# KiCad board ESP32-P4-PC_Rev_B.kicad_pcb (continued)
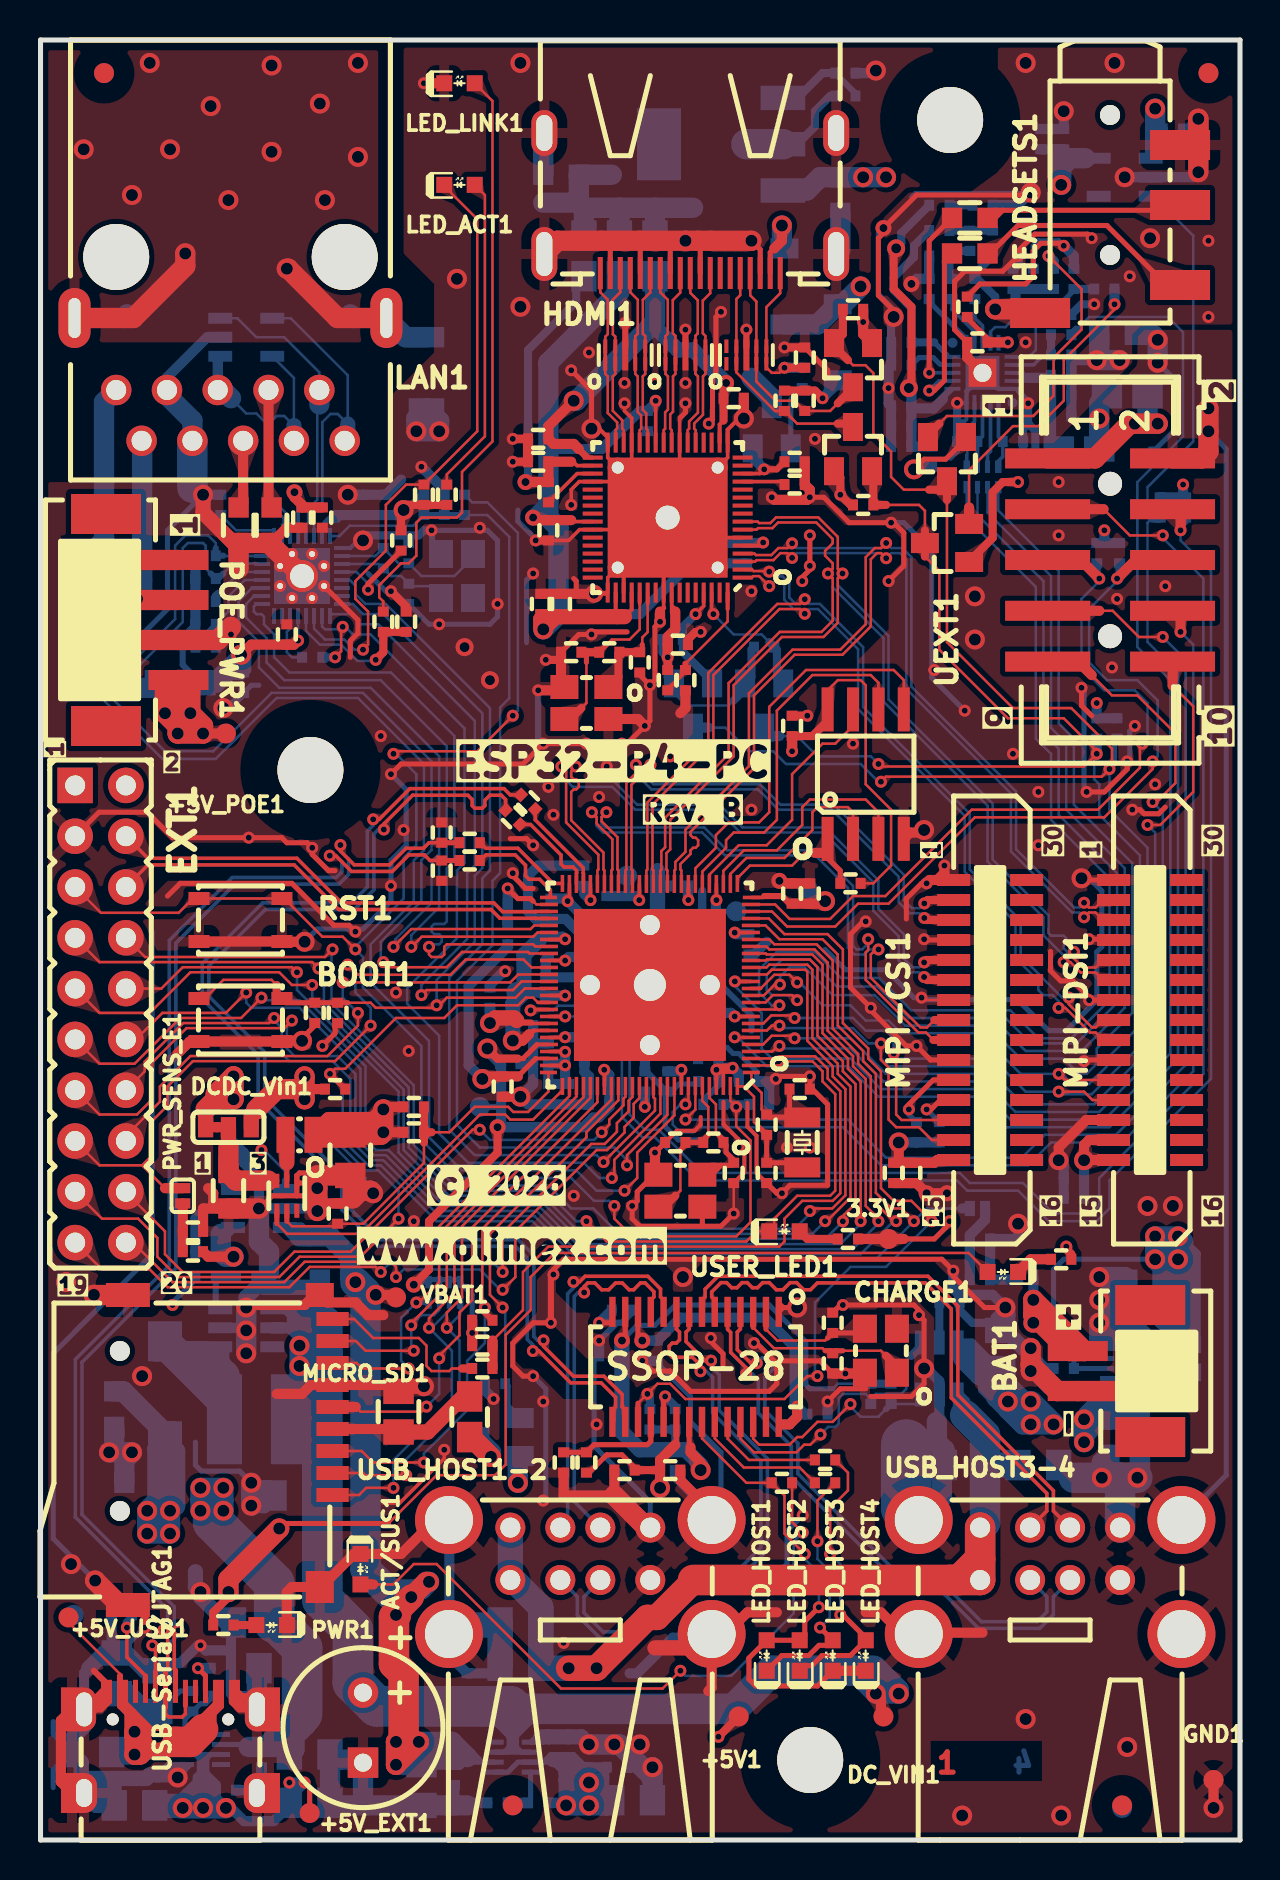
[diagram p0: board, top side]
## Routing (per net, layer and track width the routed paths; a pad name or vN(x,y) marks a point on that pad's centre or on a via; arc(x,y) is an arc through that point) (continued)
  Bottom w0.762: USB-Serial/JTAG1.0 2.8,1.73 C118.1 ; USB-Serial/JTAG1.0 2.13,2.4 2.13,3.08 3,3.08 ; USB-Serial/JTAG1.0 2.03,2.5 2.03,3.89 C133.1 1.53,5.03 2.18,5.69 USB-Serial/JTAG1.0 ; 3,3.08 3,2.42 C118.1 ; 3,3.08 3.68,3.08 ; C118.1 3.68,3.08 ; C118.1 3.68,1.86 ; v2(6.86,3.13) 6.73,3.25 C119.1 5.28,3.08 3.68,3.08 ; v2(27.43,4.78) 27.05,5.16 25.02,5.16 ; C132.1 5.21,8.46 4.32,9.35 C127.1 3.18,9.35 2.41,8.59 ; v2(10.29,26.62) 10.29,27.13 11.43,28.27 11.43,28.4 10.99,27.96 10.99,27.83 11.18,27.64 13.72,27.64 ; 7.75,13.42 7.75,12.65 v2(8,12.4) 8,12.14 9.27,10.88 9.65,10.88 ; U1.105 30.86,46.13 30.86,48.47 ; v2(10.54,16.72) 11.18,16.72 C116.1 ; v2(49.53,24.59) 49.15,24.59 48.26,25.48 C74.2
  Bottom w1.016: v2(54.23,24.97) 54.36,25.1 54.36,25.99 ; v2(54.23,24.97) v2(55.37,24.97) 54.36,25.99 ; v2(54.23,24.97) 53.59,24.97 ; 53.59,24.97 53.09,24.97 52.96,25.1 v2(52.96,25.86) ; 53.59,24.97 53.59,28.15 ; 51.69,18.11 51.06,18.75 C89.1 ; v2(10.92,31.58) 10.92,29.92 11.43,29.42 11.43,28.4 ; USB_HOST3-4.0 45.09,17.16 45.09,18.62 45.21,18.75 45.21,19.51 44.83,19.89 44.83,20.91 ; C122.2 3.68,19.64 v2(3.43,19.38) v2(4.57,19.38) 4.19,19 C123.2 ; 10.54,17.48 11.43,17.48 C116.1 ; 21.34,1.73 C129.1 16.26,1.73 ; v2(52.96,28.15) 53.59,28.15 ; 53.59,28.15 54.23,28.15 C64.2 C63.2 54.36,25.99 ; C130.2 v2(30.61,3.64) 30.61,3.13 28.96,4.78 v2(27.43,4.78) ; v2(10.29,26.62) v2(10.29,25.48) v2(10.29,24.34) ; 16.26,1.73 16.13,1.86 C117.2 15.98,4.02 14.73,4.02 14.48,4.27 14.48,1.86 14.61,1.73 16.26,1.73 ; HDMI1.0 40.01,79.51 C66.2 ; v2(10.54,16.72) v2(10.54,17.86) ; C34.2 53.09,18.88 v2(53.09,18.11) ; C75.2 25.15,85.3 HDMI1.0 ; v2(55.88,73.87) v2(55.88,75.01) 55.63,75.26 R31.1 ; C136.1 10.82,8.49 USB-Serial/JTAG1.0 ; v2(54.87,18.11) 54.99,18.24 C37.2 ; LAN1.8 6.32,72.24 7.59,70.97 LAN1.7 ; C74.2 48.01,25.99 48.26,26.24 v2(48.26,26.62) ; C17.1 19.94,70.95 v2(19.94,70.44) v2(18.8,70.44) 18.8,71.07 C17.1
  Bottom w1.27: C90.1 C93.1 22.86,10.75 20.38,10.75
  Bottom w1.524: USB_HOST3-4.1.4 54,18.09 53.98,18.11 ; 51.69,18.11 53.98,18.11 ; 53.98,18.11 v2(54.87,18.11) ; LAN1.7 7.59,67.62 ; 19.93,10.3 20.38,10.75
  Bottom w2.54: 43.31,19.77 43.31,16.62 USB_HOST3-4.0
  vias: v1(17.02,55.2) v1(17.53,47.7) v1(17.78,42.37) v1(18.16,50.5) v1(18.42,39.45) v1(18.67,30.94) v1(21.97,65.61) v1(25.15,21.92) v1(25.4,52.66) v1(25.66,51.26) v1(26.16,9.86) v1(26.67,32.21) v1(27.43,74.38) v1(27.81,20.78) v1(27.94,52.15) v1(28.32,53.67) v1(29.21,72.85) v1(30.74,72.85) v1(31.5,54.18) v1(32.26,72.85) v1(35.56,62.44) v1(35.56,51.52) v1(37.34,34.62) v1(38.48,34.62) v1(38.74,70.06) v1(40.13,26.75) v1(40.26,23.32) v1(40.64,54.82) v1(44.71,58.5) v1(47.5,45.67) v1(47.5,44.15) v1(47.5,42.5) v1(48.64,54.31) v1(49.91,52.4) v1(49.91,49.74) v1(50.93,67.9) v1(50.93,65.23) v1(53.59,58.63) v1(53.85,62.06) v1(55.75,52.78) v1(56.26,62.69) v2(1.27,27.89) v2(1.53,57.74) v2(1.53,13.8) v2(5.08,23.19) v2(20.83,78.06) v2(24,88.85) v2(24,76.66) v2(28.7,4.78) v2(29.97,4.78) v2(32.13,28.15) v2(46.1,1.22) v2(46.74,62.18) v2(46.74,60.02) v2(47.37,35.13) v2(49.28,6.05) v2(51.06,1.22) v2(52.96,27) v2(54.36,4.65) v2(55.37,31.7) v2(56.64,31.7) v3(21.21,59.64) v3(22.48,57.99)
GNDA: length 84.4
  Top w0.254: v2(42.67,76.15) 42.67,76.47 41.91,77.23 41.91,80.09 42.16,80.34 v4(42.16,80.6) 43.82,82.25 49.4,82.25 v2(49.53,82.38) ; v1(52.58,80.09) 52.38,80.29 49.73,80.29 48.9,79.45 v1(48.9,79.2) 48.13,78.44 46.23,78.44 45.72,77.93 45.72,75.52 R64.2
  Top w0.508: U8.21 46.36,74.12 R64.2
  Top w1.016: HEADSETS1.2 57.91,84.75 v2(57.91,86.06) v2(57.91,83.39)
  In2.Cu w0.762: v4(42.16,80.6) 42.67,81.11 42.8,81.11
  Bottom w0.127: 48.9,72.47 48.81,72.56 U8.5
  Bottom w0.178: 45.85,70.95 46.23,70.95 46.32,71.03 U8.10
  Bottom w0.203: v1(45.85,71.86) U8.10 46.32,72.43 ; U8.5 47.92,72.56
  Bottom w0.254: v1(49.4,71.84) 49.4,71.96 48.9,72.47 ; 43.56,82.12 43.77,82.33 49.48,82.33 v2(49.53,82.38) ; 47.92,72.56 U8.21 47.12,73.23 46.32,72.43 ; v2(42.67,76.15) 42.67,76.53 41.91,77.3 41.91,80.34 v4(42.16,80.6) ; 45.52,69.09 45.85,69.42 C79.2
  Bottom w0.406: 49.4,70.82 v1(49.4,71.84) ; 49.4,70.82 49.76,70.46 49.76,69.3 49.15,69.3 C80.2 49.15,70.56 49.4,70.82 ; C86.2 42.55,76.03 v2(42.67,76.15) ; v1(52.71,76.79) 52.07,76.79 C77.2 ; v1(45.85,71.86) C79.2
  Bottom w0.508: C86.2 C88.2 42.42,73.61 v1(42.42,72.6) 42.42,71.84 C101.1 C100.2 C99.2 ; 51.56,73.61 C85.2 ; 51.56,73.61 51.56,73.87 ; 51.56,73.61 C87.2 C83.2 ; 51.56,73.87 51.69,73.99 v2(52.83,73.99) ; 51.56,73.87 C81.2 ; C104.2 48.9,81.74 v2(49.53,82.38) ; v4(43.56,77.8) 43.82,78.06 C84.2 R81.1 ; v1(48.9,79.2) 48.9,78.82 C78.2 ; C76.2 57.41,85.55 v2(57.91,86.06) ; v2(57.91,83.39) 57.66,83.14 VR2.2 v2(54.23,83.14) ; v2(51.18,86.44) C82.2 R68.2
  Bottom w1.016: R31.2 52.96,74.12 v2(52.83,73.99) v2(53.98,73.99)
  vias: v1(49.28,74.88) v1(54.48,78.19) v1(58.42,79.96) v1(58.42,76.15) v2(49.28,88.85) v2(53.72,88.85) v2(55.5,80.09)
VBAT: length 108.8
  Top w0.508: VBAT1.1 17.65,27.26 v2(16.76,27.26)
  Top w0.762: v2(19.43,12.91) 19.31,12.91
  Top w1.016: 19.31,12.91 v2(18.54,12.14) ; v2(17.78,11.26) 17.78,11.38 ; v2(17.78,4.91) v2(18.92,4.91) v2(17.78,3.76) v2(17.78,4.91) ; 49.66,26.24 v2(49.66,27) 52.21,24.45 BAT1.1 51.45,24.45 49.66,26.24
  Top w1.27: 17.78,11.38 v2(18.54,12.14)
  Top w1.524: 18.29,4.91 18.16,5.03 18.16,8.32 17.68,8.8 17.68,11.15 v2(17.78,11.26)
  In1.Cu w0.508: v2(49.66,25.86) 50.04,25.86 50.42,26.24 50.42,27.77 49.91,28.27 48.77,28.27 48.64,28.4
  In1.Cu w1.016: v2(16.76,27.26) 16.38,27.26 ; 49.66,27.39 v2(49.66,25.86)
  In1.Cu w1.524: 49.66,27.39 47.33,29.72 16.43,29.72 15.75,29.04 v2(15.75,27.89) 16.38,27.26
  Bottom w0.254: 22.1,3.89 21.59,4.4 21.59,4.4 21.34,4.14 21.59,3.89 22.1,3.89 ; 22.1,3.89 22.72,3.89
  Bottom w0.508: BAT_SENS_E2.2 v2(49.66,27) ; 12.96,30.18 12.67,30.18 U15.3 13.02,30.63 13.46,30.18 ; C129.2 20.96,3.76 21.34,4.14 19.43,4.14 C129.2
  Bottom w1.016: 18.16,11.76 v2(18.54,12.14) 19.31,12.91 v2(19.43,12.91) 19.05,12.53 17.27,12.53 ; 18.16,11.76 17.78,11.38 v2(17.78,11.26) ; 18.16,11.76 18.03,11.76 17.78,12.02 ; 21.34,4.14 20.57,4.91 v2(18.92,4.91) v2(17.78,4.91) v2(17.78,3.76) C129.2 ; 12.96,30.18 14.48,30.18 15.5,29.16 15.5,28.15 v2(15.75,27.89)
  Bottom w1.524: 17.78,12.02 16.26,13.54 16.26,27.39 v2(15.75,27.89)
VCC_1.8V: length 22.6
  Bottom w0.254: 36.58,71.96 Q5.3
  Bottom w0.406: R52.1 39.5,87.2 38.74,86.44 38.74,85.68 37.85,84.79 VR1.2
  Bottom w1.016: 35.56,73.1 36.58,72.09 Q5.3 ; L7.1 28.96,81.61 ; 26.93,81.87 27.18,81.61 ; 26.93,81.87 25.15,81.87 ; 26.93,81.87 C75.1 28.58,83.27 ; 27.18,81.61 32.64,81.61 ; 27.18,81.61 L6.1 ; L8.1 30.74,81.61
  Bottom w1.524: VR1.2 35.31,84.79
VDD_CORE: length 66.2
  Top w0.127: v1(30.23,36.66) 30.31,36.73 U1.91
  Top w0.178: U1.26 36.13,47.13 36.2,47.2 ; 24.77,39.08 25.43,39.08
  Top w0.254: 23.88,38.18 24.77,39.08
  Top w0.305: 36.2,47.2 37.09,47.2 37.47,46.82 C7.1
  Top w0.508: 23.88,38.18 C52.2 22.23,38.18 v2(22.1,38.05) ; v2(17.15,35.39) R46.2 ; v2(39.24,46.94) 39.12,46.82 C6.1 C7.1 ; v2(17.15,36.53) 17.27,36.66 C62.2
  Top w0.762: 14.13,35.73 14.42,36.02 16.64,36.02 v2(17.15,36.53) ; 14.13,35.73 L4.2 13.91,35 15.24,35 C65.1 14.61,35.26 14.13,35.73
  Top w1.016: v2(17.15,36.53) v2(17.15,35.39) 17.02,35.26 C65.1
  In1.Cu w0.762: 38.48,39.32 38.02,38.87 36.12,38.87 34.93,37.67 31.81,37.67 31.17,37.04 30.61,37.04 v1(30.23,36.66)
  In1.Cu w1.016: v1(30.23,36.66) 30.23,36.45 ; v2(39.24,46.94) 39.5,46.69 39.5,40.34 38.48,39.32 ; v2(17.15,36.53) v2(17.15,35.39) 18.29,36.53 v2(17.15,36.53)
  In1.Cu w1.524: 18.29,36.53 19.81,38.05 v2(22.1,38.05) 22.86,38.05 23.37,38.56 24.66,38.56 26.57,36.66 v1(30.23,36.66)
  Bottom w0.508: v2(39.24,46.94) 38.99,46.94 CORE1.1 ; v2(22.1,38.05) 21.41,38.74 21.41,42.7 23.37,44.66 R40.1 ; C47.2 v1(30.23,36.66)
/50MHz_CLKO: length 2.7
  Bottom w0.127: U2.14 12.48,60.57 12.32,60.41 12.32,59.39 12.57,59.13 R38.2
/ADCVREF: length 9
  Bottom w0.178: 45.34,74.25 45.43,74.16 U8.15
  Bottom w0.254: 45.34,74.25 44.71,74.88
  Bottom w0.406: 44.71,74.88 C86.1 43.56,76.61 42.67,77.5 42.67,78.12 43.69,79.14 43.69,79.71 R79.2
/CSI_CLKN: length 30.4
  Top w0.127: v1(41.91,44.53) 41.78,44.53 41.53,44.28 41.53,43.11 44.01,40.63 44.34,40.63 44.71,41 ; v1(27.58,51.39) 27.81,51.15 27.81,50.83 28.6,50.04 28.6,48.53 28.56,48.48 U1.45
  Top w0.406: MIPI-CSI1.8 44.71,41
  Bottom w0.127: v1(41.91,44.53) 41.45,44.53 41.2,44.28 40.72,44.28 40.39,44.6 40.39,47.6 38.76,49.23 34.24,49.23 33.1,50.37 28.14,50.37 27.81,50.7 27.81,51.15 v1(27.58,51.39)
/CSI_CLKP: length 30.5
  Top w0.127: U1.44 28.91,48.48 28.86,48.53 28.86,50.14 28.07,50.93 28.07,51.15 v1(28.3,51.39) ; 44.66,40 44.29,40.37 43.91,40.37 41.28,43.01 41.28,44.38 41.4,44.51 v1(41.4,45.04)
  Top w0.406: MIPI-CSI1.9 44.66,40
  Bottom w0.127: v1(41.4,45.04) 41.4,44.83 41.1,44.53 40.82,44.53 40.64,44.71 40.64,47.7 38.86,49.48 34.34,49.48 33.2,50.63 28.25,50.63 28.07,50.81 28.07,51.15 v1(28.3,51.39)
/CSI_DATA0N: length 26.3
  Top w0.127: v1(30.51,53.76) 30.51,53.4 30.3,53.19 29.99,53.19 29.56,52.76 29.56,48.53 29.61,48.48 U1.42
  Top w0.406: MIPI-CSI1.2 44.38,47 v1(44.21,46.83)
  Bottom w0.127: v1(30.51,53.76) 30.27,53.53 30.27,53.17 30.66,52.78 35.99,52.78 37.01,51.77 39.68,51.77 43.18,48.27 43.18,47 43.58,46.59 43.97,46.59 v1(44.21,46.83)
/CSI_DATA0P: length 26.3
  Top w0.127: v1(29.78,53.76) 29.78,53.34 29.3,52.87 29.3,48.53 29.26,48.48 U1.43
  Top w0.406: v1(44.21,46.1) 44.31,46 MIPI-CSI1.3
  Bottom w0.127: v1(44.21,46.1) 43.97,46.34 43.48,46.34 42.93,46.89 42.93,48.16 39.57,51.52 36.91,51.52 35.89,52.53 30.56,52.53 30.02,53.07 30.02,53.53 v1(29.78,53.76)
/CSI_DATA1N: length 32.5
  Top w0.127: v1(26.78,53.67) 26.54,53.44 26.54,53.17 26.67,53.04 26.8,53.04 26.93,52.91 26.93,52.66 26.8,52.53 26.67,52.53 26.54,52.4 26.54,50.99 28.16,49.37 28.16,48.53 28.21,48.48 U1.46
  Top w0.406: MIPI-CSI1.5 44.32,44 v1(44.2,43.88)
  Bottom w0.127: v1(44.2,43.88) 43.96,43.64 43.61,43.64 43.18,44.07 43.18,45.29 41.91,46.56 41.91,47.99 39.27,50.63 35.11,50.63 33.96,51.77 29.85,51.77 28.7,52.91 26.72,52.91 26.54,53.09 26.54,53.44 v1(26.78,53.67)
/CSI_DATA1P: length 32.5
  Top w0.127: U1.47 27.86,48.48 27.9,48.53 27.9,49.27 26.29,50.88 26.29,53.44 v1(26.05,53.67)
  Top w0.406: v1(44.2,43.15) 44.35,43 MIPI-CSI1.6
  Bottom w0.127: v1(44.2,43.15) 43.96,43.39 43.51,43.39 42.93,43.97 42.93,45.19 41.66,46.46 41.66,47.88 39.17,50.37 35,50.37 33.86,51.52 29.74,51.52 28.6,52.66 26.62,52.66 26.29,52.99 26.29,53.44 v1(26.05,53.67)
/CSI_IO0\Reset: length 3.8
  Top w0.254: v1(43.44,36.53) 43.44,36.78 44.65,38 MIPI-CSI1.11
  Bottom w0.254: R27.2 43.44,36.28 v1(43.44,36.53)
/CSI_IO1\Strobe: length 2.4
  Top w0.254: v1(44.32,36.53) 44.54,36.53 45.01,37 MIPI-CSI1.12
  Bottom w0.254: v1(44.32,36.53) R28.2
/DCDC_Vin: length 4.9
  Top w0.254: U5.3 11.39,32.96 11.38,32.97
  Top w0.762: DCDC_Vin1.2 9.4,34.62
  Top w1.016: 11.38,32.97 9.78,32.97 C35.1 9.4,34.62
/DCDC_VIN: length 139.2
  Top w0.508: DC_VIN1.1 42.04,6.3 42.04,7.06 v2(41.78,7.32)
  Top w0.762: DCDC_Vin1.1 8.26,36.53
  Top w1.016: 8.76,37.04 v2(9.65,37.04) v2(9.65,38.18) 8.76,37.29 8.76,37.04 ; 8.76,37.04 8.26,36.53
  In1.Cu w1.016: v2(9.65,38.18) v2(9.65,37.04) 9.65,31.07 12.73,27.99 12.73,24.95 v2(12.96,24.72) ; 41.28,8.97 v2(42.93,7.32) v2(41.78,7.32) 40.97,8.13 40.97,10.29 41.28,10.6
  In1.Cu w1.27: v2(12.96,24.72) v2(12.96,23.7) ; v2(52.2,21.03) v2(52.2,19.89)
  In1.Cu w1.524: v2(52.2,19.89) 51.06,18.75 42.8,18.75 41.28,17.22 41.28,8.97
  Bottom w0.254: 23.19,4.39 23.37,4.39 ; 23.19,4.39 22.72,4.39 ; 23.19,4.39 23.45,4.65 23.62,4.65 ; 23.37,4.39 24.05,4.39 ; 23.37,4.39 23.62,4.65 ; 54.69,21.62 55.3,22.23 55.3,22.68 54.91,23.08 U4.3 ; 23.62,4.65 23.8,4.65 24.05,4.39 ; 24.05,4.39 U16.2 ; U4.4 53.84,23.08 54.69,22.23
  Bottom w0.508: v2(52.2,21.03) 52.2,21.42 52.52,21.73 54.17,21.73 ; 24.64,6.56 24.64,6.2 23.62,5.19 23.62,5.16 22.1,6.68 ; 12.7,25.61 13.08,25.99 12.83,25.99 12.26,26.56 U14.4 ; v2(12.96,24.72) 12.96,25.1 12.45,25.61
  Bottom w0.559: U14.5 12.7,25.61
  Bottom w0.635: 23.62,6.56 23.62,4.65
  Bottom w0.762: C116.2 14.1,17.22
  Bottom w1.016: 13.72,25.99 C124.1 13.97,25.86 14.1,25.73 ; 52.32,21.03 C34.1 ; C34.1 C37.1 ; C34.1 52.96,21.03 52.2,20.27 v2(52.2,19.89) v2(52.2,21.03) ; C34.1 54.66,22.23 54.69,22.23 ; v2(12.96,24.72) v2(12.96,23.7) 12.96,21.59 L11.2 13.21,21.03 14.1,21.92 ; 40.64,8.46 v2(41.78,7.32) v2(42.93,7.32) 42.93,7.52 41.99,8.46 41.66,8.46
  Bottom w1.524: 54.69,21.62 54.69,22.23 ; 13.72,25.99 13.08,25.99 14.1,24.97 14.1,24.34 ; 41.66,8.46 36.58,8.46 34.67,6.56 23.62,6.56
  Bottom w2.032: 23.62,6.56 23.5,6.68 16.81,6.68 15.62,7.88 15.62,10.49 14.1,12.02 14.1,25.73
/DSI_CLKN: length 54.9
  Top w0.127: U1.37 31.36,48.48 31.31,48.53 31.31,49.34 31.5,49.53 31.5,51.01 34.67,54.18 34.67,57.74 37.09,60.15 39.17,60.15 39.88,60.86 39.88,63.09 v1(40.12,63.33) 39.88,63.56 39.88,65.16 38.91,66.13 36.79,66.13 36.51,65.85 35.94,65.85 35.87,65.92 U12.8 ; v1(51.69,44.41) 51.69,44.07 52.14,43.63 52.78,43.63 53.15,44 MIPI-DSI1.5
  Bottom w0.127: v1(40.12,63.33) 39.88,63.09 39.88,62.74 42.42,60.2 42.42,57.03 47.63,51.82 47.63,49.03 50.42,46.23 50.42,45.34 50.55,45.22 51.18,45.22 51.31,45.09 51.31,44.86 51.18,44.73 51.18,44.58 51.36,44.41 v1(51.69,44.41)
/DSI_CLKP: length 54.7
  Top w0.127: U1.38 31.01,48.48 31.05,48.53 31.05,49.45 31.24,49.64 31.24,51.11 34.42,54.29 34.42,57.84 36.98,60.41 39.06,60.41 39.62,60.97 39.62,63.09 v1(39.39,63.33) 39.62,63.56 39.62,63.83 39.24,64.22 39.24,64.46 39.62,64.84 39.62,65.05 38.8,65.88 36.89,65.88 36.61,65.59 35.89,65.59 35.81,65.52 U12.7 ; v1(51.18,43.89) 51.51,43.89 52.03,43.37 52.78,43.37 53.15,43 MIPI-DSI1.6
  Bottom w0.127: v1(51.18,43.89) 51.18,44.23 50.17,45.24 50.17,46.13 47.37,48.92 47.37,51.72 42.16,56.92 42.16,60.1 39.62,62.64 39.62,63.09 v1(39.39,63.33)
/DSI_DATA0N: length 51.7
  Top w0.127: U1.40 30.31,48.48 30.35,48.53 30.35,51.87 33.4,54.92 33.4,58.35 36.85,61.8 37.99,61.8 v1(38.23,62.04) ; v1(51.44,42.12) 51.44,41.79 52.6,40.63 52.78,40.63 53.15,41 MIPI-DSI1.8 ; U12.2 35.6,63.52 35.67,63.45 36.42,63.45 v1(36.45,63.42)
  Bottom w0.127: 36.48,63.45 v1(36.45,63.42) 36.69,63.18 37.12,63.18 37.45,62.85 37.45,62.12 37.77,61.8 37.99,61.8 v1(38.23,62.04) 38.46,61.8 38.99,61.8 41.15,59.64 41.15,56.65 46.48,51.31 46.48,48.52 49.02,45.98 49.02,44.2 51.1,42.12 v1(51.44,42.12)
/DSI_DATA0P: length 51.7
  Top w0.127: v1(38.23,61.31) 37.99,61.55 36.96,61.55 33.66,58.25 33.66,54.82 30.61,51.77 30.61,48.53 30.66,48.48 U1.39 ; v1(36.45,62.69) 35.95,63.19 35.66,63.19 35.58,63.12 U12.1 ; v1(50.92,41.61) 51.26,41.61 52.49,40.37 52.78,40.37 53.15,40 MIPI-DSI1.9
  Bottom w0.127: v1(50.92,41.61) 50.92,41.94 50.62,42.24 50.17,42.24 49.91,42.5 49.91,42.95 48.77,44.1 48.77,45.87 46.23,48.41 46.23,51.21 40.9,56.54 40.9,59.54 38.88,61.55 38.46,61.55 v1(38.23,61.31) 37.99,61.55 37.67,61.55 37.2,62.02 37.2,62.74 37.01,62.93 36.69,62.93 v1(36.45,62.69)
/DSI_DATA1N: length 55.4
  Top w0.127: v1(37.59,64.83) 37.36,64.6 36.91,64.6 36.56,64.25 35.78,64.25 35.71,64.32 U12.4 ; U1.36 31.71,48.48 31.75,48.53 31.75,48.9 32.26,49.41 32.26,50.51 35.43,53.69 35.43,57.34 37.61,59.52 40.01,59.52 41.28,60.79 41.28,64.14 41.73,64.6 42.05,64.6 v1(42.3,64.85) ; MIPI-DSI1.2 53.14,47 52.77,46.63 52.43,46.63 v1(52.2,46.86)
  Bottom w0.127: v1(52.2,46.86) 51.96,46.63 51.7,46.63 48.79,49.54 48.79,52.43 43.56,57.66 43.56,64.14 43.11,64.6 42.55,64.6 v1(42.3,64.85) 42.05,64.6 37.83,64.6 v1(37.59,64.83)
/DSI_DATA1P: length 55.5
  Top w0.127: v1(37.59,64.11) 37.36,64.34 37.01,64.34 36.66,63.99 35.81,63.99 35.74,63.92 U12.3 ; MIPI-DSI1.3 53.14,46 52.77,46.37 52.43,46.37 v1(52.2,46.14) ; U1.35 32.06,48.48 32.01,48.53 32.01,48.8 32.51,49.3 32.51,49.48 32.64,49.61 32.77,49.61 32.89,49.74 32.89,49.99 32.77,50.12 32.64,50.12 32.51,50.25 32.51,50.41 35.69,53.58 35.69,57.23 37.72,59.26 40.11,59.26 41.53,60.68 41.53,64.04 41.84,64.34 42.05,64.34 v1(42.3,64.09)
  Bottom w0.127: v1(37.59,64.11) 37.83,64.34 42.05,64.34 v1(42.3,64.09) 42.55,64.34 43,64.34 43.31,64.04 43.31,57.56 48.54,52.33 48.54,49.43 51.6,46.37 51.96,46.37 v1(52.2,46.14)
/EN_DCDC: length 18.5
  Top w0.127: U1.79 26.11,37.49 24.64,36.02 23.5,36.02 23.24,36.28 21.98,36.28 16.02,30.31 12.34,30.31 11.82,30.82
  Top w0.254: U5.4 11.82,30.82
/ESP_EN: length 85.6
  Top w0.127: v1(15.75,44.53) 15.11,45.17 14.1,45.17 12.19,47.08 RST1.1 RST1.1 7.63,47.08 6.91,46.36 3.02,46.36 EXT1.5 ; v1(28.7,31.7) 28.7,31.07 29.59,30.18 34.8,30.18 35.51,30.89 35.51,34.98 34.8,35.69 v1(34.8,36.66) 34.51,36.95 U1.103 ; v1(23.62,56.21) 21.84,54.44 17.78,54.44 v1(17.65,54.31)
  Bottom w0.127: v1(23.62,56.21) 23.88,56.47 23.88,65.36 22.35,66.88 21.59,66.88 R19.1 ; v1(17.65,54.31) 17.78,54.31 18.8,53.29 18.8,49.74 18.16,49.1 18.16,47.07 15.75,44.66 v1(15.75,44.53) 16.13,44.15 16.13,42.62 19.05,39.7 19.05,35 20.96,33.1 26.54,33.1 27.69,31.96 28.45,31.96 v1(28.7,31.7)
  Bottom w0.406: R41.2 34.67,36.78 v1(34.8,36.66) 34.93,36.78 C40.2
/ESP_LDO_VO1: length 52.4
  Top w0.127: R48.1 41.66,47.83 42.55,48.72 42.55,51.52 41.28,52.78 41.28,57.74 41.02,57.99 39.88,57.99 39.37,57.48 U3.8
  Top w0.178: 25.43,40.83 24.58,40.83 24.54,40.87 ; v1(33.81,46.99) 33.81,47 U1.30
  Top w0.305: 23.83,40.97 23.93,40.87 24.54,40.87
  Top w0.406: U3.8 39.37,55.96 38.61,55.2 C38.2
  Top w0.508: v1(37.59,54.44) C38.2
  Top w0.762: 23.83,40.97 23.7,41.1 22.73,41.1 v2(22.48,40.85)
  In1.Cu w0.762: 33.78,48.09 33.81,48.06 v1(33.81,46.99)
  In1.Cu w1.016: v1(37.59,54.44) 37.59,51.9 33.78,48.09 30.35,48.09 29.59,48.85 25.66,48.85 24.44,47.63 24.44,42.8 v2(22.48,40.85)
  Bottom w0.254: VO1.1 33.78,46.44
  Bottom w0.508: C8.2 C9.2 33.78,46.97 v1(33.81,46.99) ; 22.48,41.61 v2(22.48,40.85)
/ESP_LDO_VO4: length 34.1
  Top w0.178: 24.84,39.78 25.43,39.78 ; U1.85 28.21,38.5
  Top w0.254: 28.21,38.5 v1(28.19,38.51) ; 23.88,39.07 24.13,39.07 24.84,39.78
  Top w0.406: 23.88,39.07 22.86,39.07 v2(22.35,39.58) ; v4(18.67,27.77) 19.43,28.53 19.43,30.94 22.86,34.37 v4(22.86,35.64)
  Top w0.508: 21.59,25.99 v1(21.59,25.35) 21.59,24.72
  Bottom w0.254: v4(18.67,27.77) 18.8,27.9 RM1.4.2 19.53,28.02 19.82,28.02 RM1.3.2 20.07,28.02 20.32,28.02 RM1.2.2 20.57,28.02 20.86,28.02 RM1.1.2 20.98,27.86 21.59,27.26 v1(21.59,25.35)
  Bottom w0.305: 23.04,36.66 VO4.1
  Bottom w0.508: v1(28.19,38.51) 28.45,38.26 C49.1 C48.1 28.45,36.66 27.92,36.12 27.64,36.12 27.15,35.64 v4(22.86,35.64) 23.04,35.82 23.04,38.76 C61.2 22.35,39.45 v2(22.35,39.58)
/FB_DCDC: length 19.8
  Top w0.127: 12.32,30.94 12.57,30.69 14.73,30.69 R47.1 16.14,30.81 19.18,33.85 19.18,34.88 ; 19.56,35.39 20.45,35.39 21.72,36.66 23.39,36.66 23.65,36.4 24.38,36.4 25.41,37.42 U1.78
  Top w0.254: U5.5 12.32,30.94
  Top w0.406: 19.18,34.88 R46.1 ; R46.1 19.56,35.39 ; R46.1 C62.1
/FLASH_CK: length 18.4
  Top w0.127: U3.6 41.91,57.86 41.53,58.25 38.61,58.25 36.83,56.47 36.83,51.01 36.2,50.37 34.67,50.37 34.29,49.99 34.29,49.61 33.11,48.42 U1.32
/FLASH_CS: length 8.5
  Top w0.127: U1.27 34.86,48.09 35.48,48.72 37.59,48.72 38.23,49.36 38.74,49.36
  Top w0.254: U3.1 39.37,49.1 40.01,48.47 R48.2
  Top w0.508: 38.74,49.36 39.37,49.36 U3.1
/FLASH_D: length 20.4
  Top w0.127: U3.5 43.18,57.99 42.67,58.5 38.29,58.5 36.45,56.66 36.45,51.39 35.94,50.88 34.42,50.88 33.78,50.25 33.78,49.61 32.76,48.58 U1.33
/FLASH_HOLD: length 12.9
  Top w0.127: 40.64,56.53 40.64,55.71 39.75,54.82 39.12,54.82 37.59,53.29 37.59,51.01 36.32,49.74 34.93,49.74 33.46,48.27 U1.31
/FLASH_Q: length 10
  Top w0.127: U1.28 34.51,48.3 35.31,49.1 37.21,49.1 38.61,50.5 38.61,51.39 38.86,51.64 40.39,51.64 40.64,51.39 40.64,50.06
/FLASH_WP: length 12
  Top w0.127: U1.29 34.16,48.46 35.18,49.48 36.83,49.48 38.1,50.75 38.1,51.64 38.48,52.02 41.28,52.02 41.91,51.39 U3.3
/GPIO2\User_Led: length 58.3
  Top w0.127: 35.53,38.73 37,38.73 37.2,38.93 38.62,38.93 39.12,38.43 39.12,37.93 39.75,37.29 39.75,32.47 39.5,32.21 37.85,32.21 36.7,31.07 36.7,30.69 USER_LED1.1 35.81,30.43 35.31,29.92 28.32,29.92 v1(27.31,30.94) ; v1(13.91,43.58) 13.59,43.89 2.94,43.89 EXT1.7
  Bottom w0.127: v1(13.91,43.58) 14.17,43.31 14.17,41.87 18.42,37.63 18.42,34.62 20.57,32.47 25.27,32.47 26.8,30.94 v1(27.31,30.94)
/GPIO3\SD_DET: length 34.3
  Top w0.127: 22.61,24.97 24.13,26.5 24.13,28.4 25.4,29.67 36.96,29.67 37.21,29.92 37.21,31.07 38.1,31.96 39.62,31.96 40.01,32.34 40.01,37.44 39.37,38.07 39.37,38.56 38.75,39.18 36.96,39.18 36.85,39.08 U1.3
  Top w0.508: 22.61,24.97 R12.2 R16.1
/GPIO4\SPI_SCK(CLK): length 47.8
  Top w0.127: 52.58,58.25 53.59,57.23 54.87,57.23 56.77,55.33 56.77,52.85 55.82,51.9 v1(55.63,51.9) ; v1(36.96,39.7) 36.88,39.7 36.6,39.43 35.53,39.43
  Top w0.508: 52.58,58.25 51.91,58.92 UEXT1.9
  Bottom w0.127: v1(55.63,51.9) 56.13,51.39 56.13,39.58 52.96,36.4 48.77,36.4 47.25,37.93 42.16,37.93 40.51,39.58 37.09,39.58 v1(36.96,39.7)
/GPIO5\SPI_CSn(CS#): length 44.1
  Top w0.127: 56.62,57.72 57.66,56.69 57.66,52.4 56.01,50.75 v1(55.37,50.75) ; v1(37.72,40.08) 37.59,40.21 36.58,40.21 36.14,39.78 U1.5
  Top w0.508: UEXT1.10 56.62,57.72
  Bottom w0.127: v1(55.37,50.75) 55.75,50.37 55.75,39.83 52.71,36.78 49.15,36.78 47.63,38.31 42.29,38.31 40.51,40.08 v1(37.72,40.08)
/GPIO6\CODEC_PWR_DIS#: length 72.5
  Top w0.127: U1.6 34.73,40.13 v1(34.72,40.14)
  Bottom w0.127: v1(34.72,40.14) 34.88,40.14 36.32,38.69 40.39,38.69 41.91,37.16 46.74,37.16 48.26,35.64 53.47,35.64 56.9,39.07 56.9,58.37 55.37,59.9 55.37,65.87 55.63,66.12 55.37,66.37 55.37,67.64 57.66,69.93 57.66,80.22 56.13,81.74
  Bottom w0.406: 56.13,81.74 55.69,82.19 VR2.3
  Bottom w0.508: R49.2 55.63,66.12
/GPIO7\I2C_SDA: length 104.6
  Top w0.127: v1(42.04,52.91) 42.29,53.17 53.09,53.17 v1(53.47,53.55) 53.59,53.67 53.59,54.56 51.56,56.59 48.64,56.59 45.34,59.9 45.34,67.01 ; U1.7 36.33,40.48 36.58,40.72 v1(36.96,40.72) ; 44.45,67.52 43.18,67.52 42.55,68.15 42.55,69.42 41.66,70.31 41.66,73.35 41.26,73.74 40.64,73.74 40.39,73.99 ; v1(50.93,37.42) 52.2,37.42 52.62,37 MIPI-DSI1.12 ; v1(42.04,39.83) 42.04,39.01 42.42,38.62 42.42,36.02 42.8,35.64 43.94,35.64 44.58,35 MIPI-CSI1.14
  Top w0.406: 44.45,67.52 44.92,67.52 FET3.3 45.34,67.94 45.34,67.01 ; R83.2 40.13,75.29 FET7.2 39.69,74.69 40.39,73.99
  Bottom w0.127: v1(42.04,52.91) 41.91,52.91 41.02,53.8 37.29,53.8 36.65,54.44 35.43,54.44 34.25,55.62 33.4,55.62 ; v1(36.96,40.72) 37.09,40.59 40.64,40.59 41.4,39.83 v1(42.04,39.83) 42.04,39.07 42.42,38.69 48.01,38.69 49.28,37.42 v1(50.93,37.42) 51.06,37.29 52.58,37.29 55.37,40.08 55.37,49.61 53.47,51.52 v1(53.47,53.55)
  Bottom w0.254: v1(53.47,53.55) 53.72,53.8 53.72,54.94 R30.2
  Bottom w0.508: 33.4,55.62 FET6.3
/GPIO8\I2C_SCL: length 86.7
  Top w0.127: 44.24,64.17 44.96,63.45 44.96,59.52 48.39,56.09 51.18,56.09 52.83,54.44 v1(52.83,54.31) 52.2,53.67 42.04,53.67 v1(41.91,53.8) ; v1(42.67,39.32) 42.8,39.2 42.8,36.28 43.07,36 MIPI-CSI1.13 ; 42.29,66.75 43.94,66.75 44.24,66.46 44.24,65.48 ; v1(50.93,38.31) 51.24,38 MIPI-DSI1.11 ; v1(37.72,41.1) 37.59,41.23 36.56,41.23 36.16,40.83 U1.8
  Top w0.406: 42.29,66.75 R86.2 41.66,68.38 FET8.2 ; 44.24,64.17 FET4.3 44.24,65.48
  Bottom w0.127: 36.96,55.2 37.85,55.2 38.86,54.18 41.53,54.18 v1(41.91,53.8) ; v1(52.83,54.31) 52.71,54.18 52.71,53.04 52.96,52.78 52.96,51.26 54.99,49.23 54.99,40.72 53.34,39.07 53.34,38.69 52.45,37.8 51.56,37.8 51.06,38.31 v1(50.93,38.31) 49.02,38.31 48.26,39.07 42.93,39.07 v1(42.67,39.32) 42.67,40.08 42.29,40.47 41.28,40.47 40.64,41.1 v1(37.72,41.1)
  Bottom w0.508: R29.2 v1(52.83,54.31) ; 36.96,55.2 36.62,55.2 FET5.3
/GPIO9\I2S_DSDIN: length 53
  Top w0.127: U1.10 36.75,41.53 v1(36.96,41.74)
  Bottom w0.127: v1(36.96,41.74) 36.58,41.74 35.94,42.37 35.94,43.51 36.83,44.4 38.74,44.4 40.03,43.11 41.94,43.11 43.56,41.48 48.51,41.48 49.91,40.08 51.56,40.08 53.47,41.99 53.47,48.09 50.55,51.01 50.55,54.31 49.78,55.07 49.78,62.65 46.33,66.11 RM2.4.1
/GPIO10\I2S_LRCK: length 54.2
  Top w0.127: v1(37.85,41.99) 37.59,42.24 36.63,42.24 36.26,41.88 U1.11
  Bottom w0.127: RM2.3.1 46.87,66.24 50.17,62.95 50.17,55.33 50.93,54.56 50.93,51.26 53.85,48.34 53.85,41.86 51.82,39.83 49.53,39.83 48.26,41.1 43.44,41.1 41.86,42.68 39.83,42.68 38.48,44.02 37.09,44.02 36.32,43.26 36.32,42.5 36.58,42.24 37.59,42.24 v1(37.85,41.99)
/GPIO11\I2S_ASDOUT: length 51
  Top w0.127: v1(36.99,42.77) 36.72,42.77 36.18,42.23 35.53,42.23
  Bottom w0.127: v1(36.99,42.77) 36.99,43.16 37.47,43.64 38.23,43.64 39.62,42.24 41.72,42.24 43.24,40.72 48.01,40.72 49.28,39.45 52.07,39.45 54.23,41.61 54.23,48.59 51.31,51.52 51.31,54.85 50.55,55.61 50.55,63.2 47.37,66.38 RM2.2.1
